# KiCad board 2choc2flat-extmcu.kicad_pcb
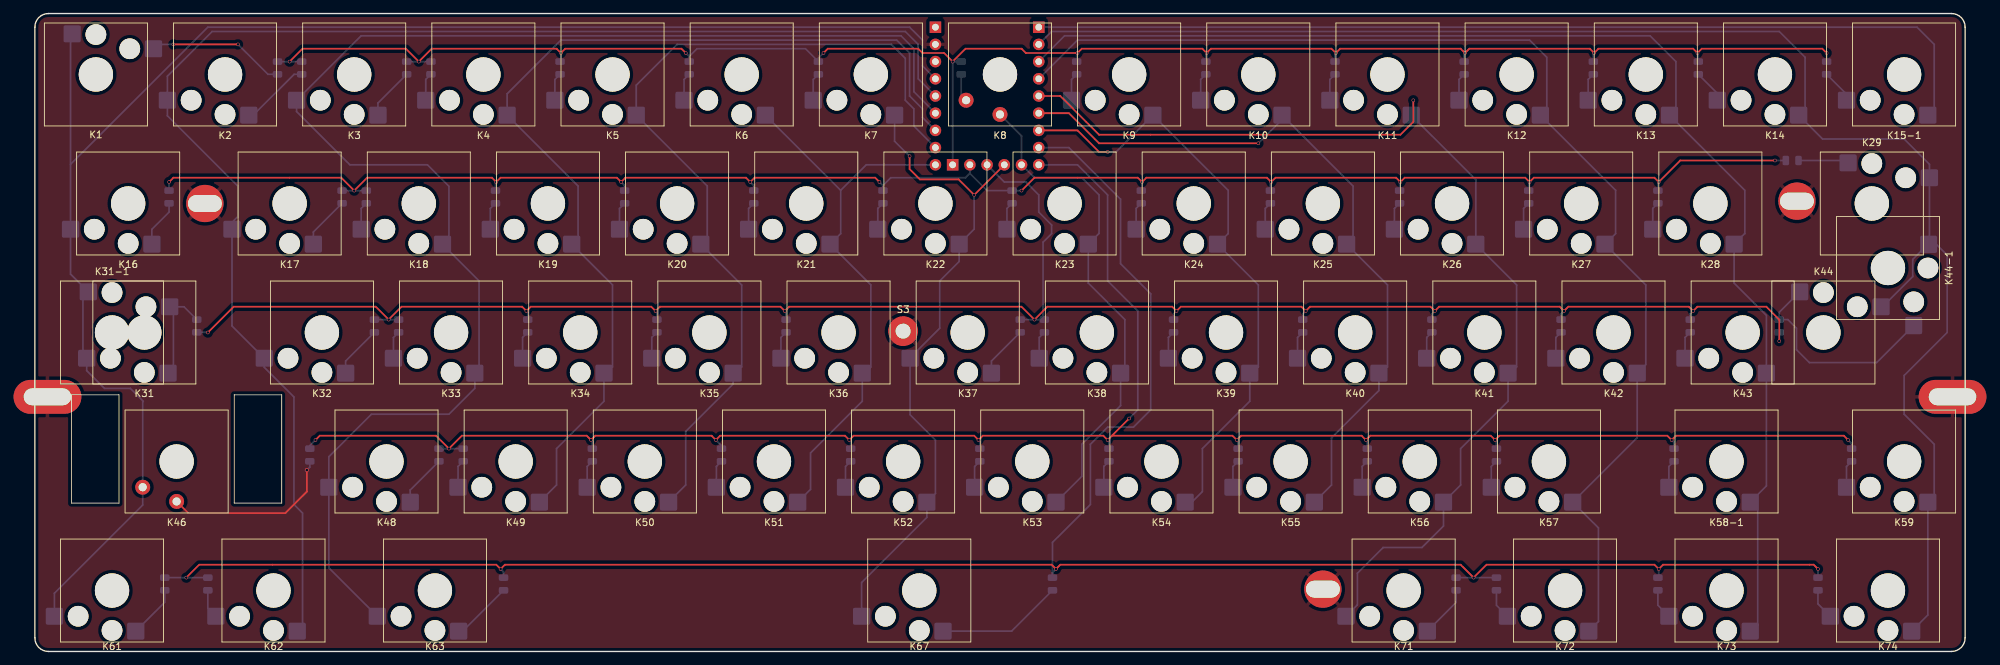
[diagram p0: board, top side]
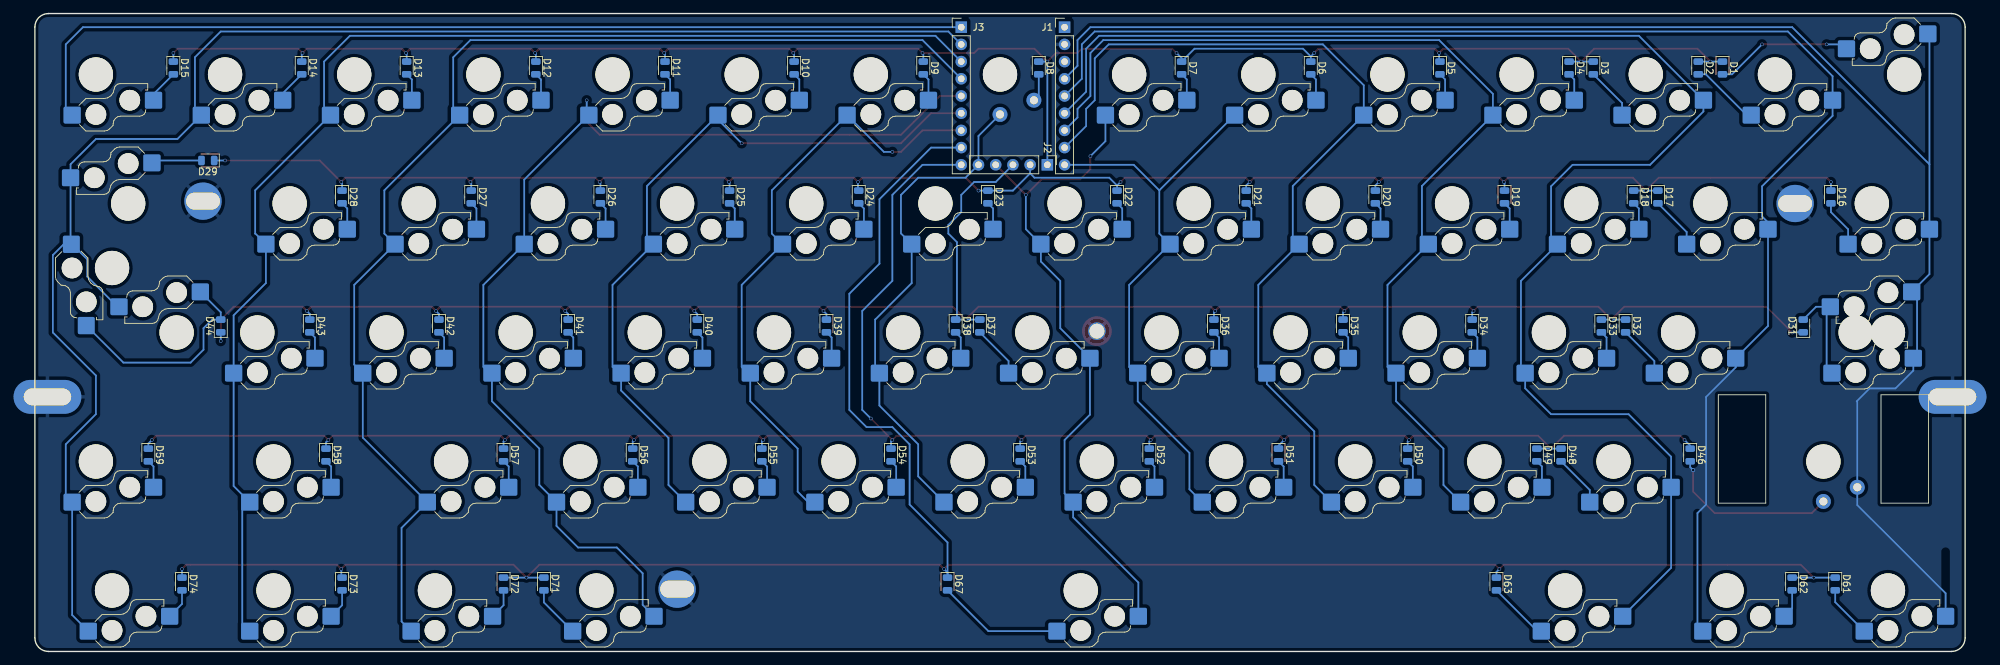
[diagram p1: board, bottom side, seen from below]

Outline 284.7 x 94.2 mm; copper layers: Top, Bottom. Coordinates in mm from the lower left corner of the outline.
Outline path: 0,92.2 0,2 arc(0.59,0.59) 2,0 282.7,0 arc(284.11,0.59) 284.7,2 284.7,92.2 arc(284.11,93.61) 282.7,94.2 2,94.2 arc(0.59,93.61) 0,92.2
Stack: Top 0.035mm / dielectric 1.51mm FR4 er 4.5 / Bottom 0.035mm

## Placement (name value [footprint] x y rotation side)
D1  D  [D_0805_2012Metric]  35.79 86.17 270 bottom
D2  D  [D_0805_2012Metric]  39.36 86.17 270 bottom
D3  D  [D_0805_2012Metric]  54.84 86.17 270 bottom
D4  D  [D_0805_2012Metric]  58.41 86.17 270 bottom
D5  D  [D_0805_2012Metric]  77.46 86.17 270 bottom
D6  D  [D_0805_2012Metric]  96.51 86.17 270 bottom
D7  D  [D_0805_2012Metric]  115.56 86.17 270 bottom
D8  D  [D_0805_2012Metric]  136.63 86.17 270 bottom
D9  D  [D_0805_2012Metric]  153.66 86.17 270 bottom
D10  D  [D_0805_2012Metric]  172.71 86.17 270 bottom
D11  D  [D_0805_2012Metric]  191.76 86.17 270 bottom
D12  D  [D_0805_2012Metric]  210.81 86.17 270 bottom
D13  D  [D_0805_2012Metric]  229.86 86.17 270 bottom
D14  D  [D_0805_2012Metric]  245.34 86.17 270 bottom
D15  D  [D_0805_2012Metric]  264.27 86.17 270 bottom
D16  D  [D_0805_2012Metric]  19.8 67.12 270 bottom
D17  D  [D_0805_2012Metric]  45.31 67.12 270 bottom
D18  D  [D_0805_2012Metric]  48.89 67.12 270 bottom
D19  D  [D_0805_2012Metric]  67.94 67.12 270 bottom
D20  D  [D_0805_2012Metric]  86.99 67.12 270 bottom
D21  D  [D_0805_2012Metric]  106.04 67.12 270 bottom
D22  D  [D_0805_2012Metric]  125.09 67.12 270 bottom
D23  D  [D_0805_2012Metric]  144.14 67.12 270 bottom
D24  D  [D_0805_2012Metric]  163.19 67.12 270 bottom
D25  D  [D_0805_2012Metric]  182.24 67.12 270 bottom
D26  D  [D_0805_2012Metric]  201.29 67.12 270 bottom
D27  D  [D_0805_2012Metric]  220.34 67.12 270 bottom
D28  D  [D_0805_2012Metric]  239.39 67.12 270 bottom
D29  D  [D_0805_2012Metric]  259.19 72.5 0 bottom
D31  D  [D_0805_2012Metric]  23.88 48.07 90 bottom
D32  D  [D_0805_2012Metric]  50.08 48.07 270 bottom
D33  D  [D_0805_2012Metric]  53.65 48.07 270 bottom
D34  D  [D_0805_2012Metric]  72.7 48.07 270 bottom
D35  D  [D_0805_2012Metric]  91.75 48.07 270 bottom
D36  D  [D_0805_2012Metric]  110.8 48.07 270 bottom
D37  D  [D_0805_2012Metric]  145.33 48.07 270 bottom
D38  D  [D_0805_2012Metric]  148.9 48.07 270 bottom
D39  D  [D_0805_2012Metric]  167.95 48.07 270 bottom
D40  D  [D_0805_2012Metric]  187 48.07 270 bottom
D41  D  [D_0805_2012Metric]  206.05 48.07 270 bottom
D42  D  [D_0805_2012Metric]  225.1 48.07 270 bottom
D43  D  [D_0805_2012Metric]  244.15 48.07 270 bottom
D44  D  [D_0805_2012Metric]  257.29 48.07 90 bottom
D46  D  [D_0805_2012Metric]  40.55 29.02 270 bottom
D48  D  [D_0805_2012Metric]  59.6 29.02 270 bottom
D49  D  [D_0805_2012Metric]  63.17 29.02 270 bottom
D50  D  [D_0805_2012Metric]  82.22 29.02 270 bottom
D51  D  [D_0805_2012Metric]  101.27 29.02 270 bottom
D52  D  [D_0805_2012Metric]  120.32 29.02 270 bottom
D53  D  [D_0805_2012Metric]  139.37 29.02 270 bottom
D54  D  [D_0805_2012Metric]  158.42 29.02 270 bottom
D55  D  [D_0805_2012Metric]  177.47 29.02 270 bottom
D56  D  [D_0805_2012Metric]  196.52 29.02 270 bottom
D57  D  [D_0805_2012Metric]  215.57 29.02 270 bottom
D58  D  [D_0805_2012Metric]  241.77 29.02 270 bottom
D59  D  [D_0805_2012Metric]  267.96 29.02 270 bottom
D61  D  [D_0805_2012Metric]  19.16 9.97 270 bottom
D62  D  [D_0805_2012Metric]  25.51 9.97 270 bottom
D63  D  [D_0805_2012Metric]  69.13 9.97 270 bottom
D67  D  [D_0805_2012Metric]  150.09 9.97 270 bottom
D71  D  [D_0805_2012Metric]  209.62 9.97 270 bottom
D72  D  [D_0805_2012Metric]  215.57 9.97 270 bottom
D73  D  [D_0805_2012Metric]  239.39 9.97 270 bottom
D74  D  [D_0805_2012Metric]  263 9.97 270 bottom
J1  Conn_01x09_Male  [PinHeader_1x09_P2.54mm_Vertical]  132.82 92.19 180 bottom
J2  Conn_01x05_Male  [PinHeader_1x05_P2.54mm_Vertical]  135.36 71.87 270 bottom
J3  Conn_01x09_Male  [PinHeader_1x09_P2.54mm_Vertical]  148.06 92.19 180 bottom
K1  KEYSW  [SW_Hotswap_Kailh_Choc_V2_1.00u]  9 85.2 0 top
K2  KEYSW  [SW_Hotswap_Kailh_Choc_V2_1.00u]  28.05 85.2 180 top
K3  KEYSW  [SW_Hotswap_Kailh_Choc_V2_1.00u]  47.1 85.2 180 top
K4  KEYSW  [SW_Hotswap_Kailh_Choc_V2_1.00u]  66.15 85.2 180 top
K5  KEYSW  [SW_Hotswap_Kailh_Choc_V2_1.00u]  85.2 85.2 180 top
K6  KEYSW  [SW_Hotswap_Kailh_Choc_V2_1.00u]  104.25 85.2 180 top
K7  KEYSW  [SW_Hotswap_Kailh_Choc_V2_1.00u]  123.3 85.2 180 top
K8  KEYSW  [SW_Kailh_Choc_V2_1.00u]  142.35 85.2 180 top
K9  KEYSW  [SW_Hotswap_Kailh_Choc_V2_1.00u]  161.4 85.2 180 top
K10  KEYSW  [SW_Hotswap_Kailh_Choc_V2_1.00u]  180.45 85.2 180 top
K11  KEYSW  [SW_Hotswap_Kailh_Choc_V2_1.00u]  199.5 85.2 180 top
K12  KEYSW  [SW_Hotswap_Kailh_Choc_V2_1.00u]  218.55 85.2 180 top
K13  KEYSW  [SW_Hotswap_Kailh_Choc_V2_1.00u]  237.6 85.2 180 top
K14  KEYSW  [SW_Hotswap_Kailh_Choc_V2_1.00u]  256.65 85.2 180 top
K15-1  KEYSW  [SW_Hotswap_Kailh_Choc_V2_1.00u]  275.7 85.2 180 top
K16  KEYSW  [SW_Hotswap_Kailh_Choc_V2_1.50u]  13.76 66.15 180 top
K17  KEYSW  [SW_Hotswap_Kailh_Choc_V2_1.00u]  37.58 66.15 180 top
K18  KEYSW  [SW_Hotswap_Kailh_Choc_V2_1.00u]  56.62 66.15 180 top
K19  KEYSW  [SW_Hotswap_Kailh_Choc_V2_1.00u]  75.67 66.15 180 top
K20  KEYSW  [SW_Hotswap_Kailh_Choc_V2_1.00u]  94.72 66.15 180 top
K21  KEYSW  [SW_Hotswap_Kailh_Choc_V2_1.00u]  113.77 66.15 180 top
K22  KEYSW  [SW_Hotswap_Kailh_Choc_V2_1.00u]  132.82 66.15 180 top
K23  KEYSW  [SW_Hotswap_Kailh_Choc_V2_1.00u]  151.88 66.15 180 top
K24  KEYSW  [SW_Hotswap_Kailh_Choc_V2_1.00u]  170.92 66.15 180 top
K25  KEYSW  [SW_Hotswap_Kailh_Choc_V2_1.00u]  189.97 66.15 180 top
K26  KEYSW  [SW_Hotswap_Kailh_Choc_V2_1.00u]  209.03 66.15 180 top
K27  KEYSW  [SW_Hotswap_Kailh_Choc_V2_1.00u]  228.07 66.15 180 top
K28  KEYSW  [SW_Hotswap_Kailh_Choc_V2_1.00u]  247.12 66.15 180 top
K29  KEYSW  [SW_Hotswap_Kailh_Choc_V2_1.50u]  270.94 66.15 0 top
K31  KEYSW  [SW_Hotswap_Kailh_Choc_V2_1.75u]  16.14 47.1 180 top
K31-1  KEYSW  [SW_Hotswap_Kailh_Choc_V2_1.25u]  11.38 47.1 0 top
K32  KEYSW  [SW_Hotswap_Kailh_Choc_V2_1.00u]  42.34 47.1 180 top
K33  KEYSW  [SW_Hotswap_Kailh_Choc_V2_1.00u]  61.39 47.1 180 top
K34  KEYSW  [SW_Hotswap_Kailh_Choc_V2_1.00u]  80.44 47.1 180 top
K35  KEYSW  [SW_Hotswap_Kailh_Choc_V2_1.00u]  99.49 47.1 180 top
K36  KEYSW  [SW_Hotswap_Kailh_Choc_V2_1.00u]  118.54 47.1 180 top
K37  KEYSW  [SW_Hotswap_Kailh_Choc_V2_1.00u]  137.59 47.1 180 top
K38  KEYSW  [SW_Hotswap_Kailh_Choc_V2_1.00u]  156.64 47.1 180 top
K39  KEYSW  [SW_Hotswap_Kailh_Choc_V2_1.00u]  175.69 47.1 180 top
K40  KEYSW  [SW_Hotswap_Kailh_Choc_V2_1.00u]  194.74 47.1 180 top
K41  KEYSW  [SW_Hotswap_Kailh_Choc_V2_1.00u]  213.79 47.1 180 top
K42  KEYSW  [SW_Hotswap_Kailh_Choc_V2_1.00u]  232.84 47.1 180 top
K43  KEYSW  [SW_Hotswap_Kailh_Choc_V2_1.00u]  251.89 47.1 180 top
K44  KEYSW  [SW_Hotswap_Kailh_Choc_V2_2.25u]  263.79 47.1 0 top
K44-1  KEYSW  [SW_Hotswap_Kailh_Choc_V2_ISOEnter_270deg]  273.32 56.63 270 top
K46  KEYSW  [SW_Kailh_Choc_V2_2.25u_Gateron_LP_Stabs]  20.91 28.05 180 top
K48  KEYSW  [SW_Hotswap_Kailh_Choc_V2_1.00u]  51.86 28.05 180 top
K49  KEYSW  [SW_Hotswap_Kailh_Choc_V2_1.00u]  70.91 28.05 180 top
K50  KEYSW  [SW_Hotswap_Kailh_Choc_V2_1.00u]  89.96 28.05 180 top
K51  KEYSW  [SW_Hotswap_Kailh_Choc_V2_1.00u]  109.01 28.05 180 top
K52  KEYSW  [SW_Hotswap_Kailh_Choc_V2_1.00u]  128.06 28.05 180 top
K53  KEYSW  [SW_Hotswap_Kailh_Choc_V2_1.00u]  147.11 28.05 180 top
K54  KEYSW  [SW_Hotswap_Kailh_Choc_V2_1.00u]  166.16 28.05 180 top
K55  KEYSW  [SW_Hotswap_Kailh_Choc_V2_1.00u]  185.21 28.05 180 top
K56  KEYSW  [SW_Hotswap_Kailh_Choc_V2_1.00u]  204.26 28.05 180 top
K57  KEYSW  [SW_Hotswap_Kailh_Choc_V2_1.00u]  223.31 28.05 180 top
K58-1  KEYSW  [SW_Hotswap_Kailh_Choc_V2_1.75u]  249.51 28.05 180 top
K59  KEYSW  [SW_Hotswap_Kailh_Choc_V2_1.00u]  275.7 28.05 180 top
K61  KEYSW  [SW_Hotswap_Kailh_Choc_V2_1.25u]  11.38 9 180 top
K62  KEYSW  [SW_Hotswap_Kailh_Choc_V2_1.25u]  35.19 9 180 top
K63  KEYSW  [SW_Hotswap_Kailh_Choc_V2_1.25u]  59.01 9 180 top
K67  KEYSW  [SW_Hotswap_Kailh_Choc_V2_6.25u]  130.44 9 180 top
K71  KEYSW  [SW_Hotswap_Kailh_Choc_V2_1.25u]  201.88 9 180 top
K72  KEYSW  [SW_Hotswap_Kailh_Choc_V2_1.25u]  225.69 9 180 top
K73  KEYSW  [SW_Hotswap_Kailh_Choc_V2_1.25u]  249.51 9 180 top
K74  KEYSW  [SW_Hotswap_Kailh_Choc_V2_1.25u]  273.32 9 180 top
S1  Screw  [5.5_5x2.5mm]  25.08 66.15 0 top
S2  Screw  [5.5_5x2.5mm]  259.9 66.5 0 top
S3  Screw  [MountingHole_2.2mm_M2_Pad_TopOnly]  128.06 47.3 0 top
S4  Screw  [10x5_7x2.5mm]  1.86 37.6 0 top
S5  Screw  [10x5_7x2.5mm]  282.84 37.6 0 top
S6  Screw  [5.5_5x2.5mm]  189.98 9.2 0 top

## Footprints (pads in the part's own frame, mm; a bottom-side part is the same pattern mirrored in y, then rotated)
5.5_5x2.5mm
  round 5.5 hole 5x2.5: 1(0,0)
10x5_7x2.5mm
  oval 10x5 hole 7x2.5: 1(0,0)
D_0805_2012Metric
  rrect 0.975x1.4 smd: 1(-0.938,0) 2(0.938,0)
MountingHole_2.2mm_M2_Pad_TopOnly
  round 2.6 hole 2.2: 1(0,0)
  round 4.4 smd: 1(0,0)
PinHeader_1x05_P2.54mm_Vertical
  rect 1.7x1.7 hole 1: 1(0,0)
  oval 1.7x1.7 hole 1: 2(0,-2.54) 3(0,-5.08) 4(0,-7.62) 5(0,-10.16)
PinHeader_1x09_P2.54mm_Vertical
  rect 1.7x1.7 hole 1: 1(0,0)
  oval 1.7x1.7 hole 1: 2(0,-2.54) 3(0,-5.08) 4(0,-7.62) 5(0,-10.16) 6(0,-12.7) 7(0,-15.24) 8(0,-17.78) 9(0,-20.32)
SW_Hotswap_Kailh_Choc_V2_1.00u
  round 3.05 hole 3.05 unplated: (0,5.9) (5,3.8)
  round 5.05 hole 5.05 unplated: (0,0)
  rrect 2.55x2.5 smd far side: 1(-3.5,6) 2(8.5,3.8)
SW_Hotswap_Kailh_Choc_V2_1.25u
  round 3.05 hole 3.05 unplated: (0,5.9) (5,3.8)
  round 5.05 hole 5.05 unplated: (0,0)
  rrect 2.55x2.5 smd far side: 1(-3.5,6) 2(8.5,3.8)
SW_Hotswap_Kailh_Choc_V2_1.50u
  round 3.05 hole 3.05 unplated: (0,5.9) (5,3.8)
  round 5.05 hole 5.05 unplated: (0,0)
  rrect 2.55x2.5 smd far side: 1(-3.5,6) 2(8.5,3.8)
SW_Hotswap_Kailh_Choc_V2_1.75u
  round 3.05 hole 3.05 unplated: (0,5.9) (5,3.8)
  round 5.05 hole 5.05 unplated: (0,0)
  rrect 2.55x2.5 smd far side: 1(-3.5,6) 2(8.5,3.8)
SW_Hotswap_Kailh_Choc_V2_2.25u
  round 3.05 hole 3.05 unplated: (0,5.9) (5,3.8)
  round 5.05 hole 5.05 unplated: (0,0)
  rrect 2.55x2.5 smd far side: 1(-3.5,6) 2(8.5,3.8)
SW_Hotswap_Kailh_Choc_V2_6.25u
  round 3.05 hole 3.05 unplated: (0,5.9) (5,3.8)
  round 5.05 hole 5.05 unplated: (0,0)
  rrect 2.55x2.5 smd far side: 1(-3.5,6) 2(8.5,3.8)
SW_Hotswap_Kailh_Choc_V2_ISOEnter_270deg
  round 3.05 hole 3.05 unplated: (0,5.9) (5,3.8)
  round 5.05 hole 5.05 unplated: (0,0)
  rrect 2.55x2.5 smd far side: 1(-3.5,6) 2(8.5,3.8)
SW_Kailh_Choc_V2_1.00u
  round 5.05 hole 5.05 unplated: (0,0)
  round 2.2 hole 1.2: 1(0,5.9) 2(5,3.8)
SW_Kailh_Choc_V2_2.25u_Gateron_LP_Stabs
  round 5.05 hole 5.05 unplated: (0,0)
  round 2.2 hole 1.2: 1(0,5.9) 2(5,3.8)

## Nets
+3V3: J1.3
+5V: J1.1
GND: J1.2 S1.1 S2.1 S3.1 S4.1 S5.1 S6.1
col0: J1.4 K1.1 K16.2 K31.2 K31-1.1 K46.2 K61.2
col1: J1.5 K2.2 K17.2 K32.2 K62.1
col2: J1.6 K3.2 K18.1 K33.1 K48.2 K63.2
col3: J1.7 K4.1 K19.1 K34.1 K49.1
col4: J1.8 K5.1 K20.1 K35.1 K50.1
col5: J1.9 K6.1 K21.1 K36.1 K51.1
col6: J2.4 K7.1 K22.1 K37.2 K52.1 K67.2
col7: J2.5 K8.1 K23.1 K38.1 K53.1
col8: J3.7 K9.1 K24.1 K39.1 K54.1
col9: J3.6 K10.1 K25.1 K40.1 K55.1
col10: J3.5 K11.1 K26.1 K41.1 K56.1 K71.2
col11: J3.4 K12.1 K27.1 K42.1 K57.1 K72.1
col12: J3.3 K13.1 K28.1 K43.1 K58-1.1 K73.1
col13: J3.2 K14.1 K29.2 K44.2 K44-1.1 K59.1 K74.1
col14: J3.1 K15-1.1
row0: D1.1 D2.1 D3.1 D4.1 D5.1 D6.1 D7.1 D8.1 D9.1 D10.1 D11.1 D12.1 D13.1 D14.1 D15.1 J2.1
row1: D16.1 D17.1 D18.1 D19.1 D20.1 D21.1 D22.1 D23.1 D24.1 D25.1 D26.1 D27.1 D28.1 D29.1 J2.2
row2: D31.1 D32.1 D33.1 D34.1 D35.1 D36.1 D37.1 D38.1 D39.1 D40.1 D41.1 D42.1 D43.1 D44.1 J2.3
row3: D46.1 D48.1 D49.1 D50.1 D51.1 D52.1 D53.1 D54.1 D55.1 D56.1 D57.1 D58.1 D59.1 J3.9
row4: D61.1 D62.1 D63.1 D67.1 D71.1 D72.1 D73.1 D74.1 J3.8
Net-(D1-Pad2): D1.2 K1.2
Net-(D2-Pad2): D2.2 K2.1
Net-(D3-Pad2): D3.2 K3.1
Net-(D4-Pad2): D4.2 K4.2
Net-(D5-Pad2): D5.2 K5.2
Net-(D6-Pad2): D6.2 K6.2
Net-(D7-Pad2): D7.2 K7.2
Net-(D8-Pad2): D8.2 K8.2
Net-(D9-Pad2): D9.2 K9.2
Net-(D10-Pad2): D10.2 K10.2
Net-(D11-Pad2): D11.2 K11.2
Net-(D12-Pad2): D12.2 K12.2
Net-(D13-Pad2): D13.2 K13.2
Net-(D14-Pad2): D14.2 K14.2
Net-(D15-Pad2): D15.2 K15-1.2
Net-(D16-Pad2): D16.2 K16.1
Net-(D17-Pad2): D17.2 K17.1
Net-(D18-Pad2): D18.2 K18.2
Net-(D19-Pad2): D19.2 K19.2
Net-(D20-Pad2): D20.2 K20.2
Net-(D21-Pad2): D21.2 K21.2
Net-(D22-Pad2): D22.2 K22.2
Net-(D23-Pad2): D23.2 K23.2
Net-(D24-Pad2): D24.2 K24.2
Net-(D25-Pad2): D25.2 K25.2
Net-(D26-Pad2): D26.2 K26.2
Net-(D27-Pad2): D27.2 K27.2
Net-(D28-Pad2): D28.2 K28.2
Net-(D29-Pad2): D29.2 K29.1
Net-(D31-Pad2): D31.2 K31.1 K31-1.2
Net-(D32-Pad2): D32.2 K32.1
Net-(D33-Pad2): D33.2 K33.2
Net-(D34-Pad2): D34.2 K34.2
Net-(D35-Pad2): D35.2 K35.2
Net-(D36-Pad2): D36.2 K36.2
Net-(D37-Pad2): D37.2 K37.1
Net-(D38-Pad2): D38.2 K38.2
Net-(D39-Pad2): D39.2 K39.2
Net-(D40-Pad2): D40.2 K40.2
Net-(D41-Pad2): D41.2 K41.2
Net-(D42-Pad2): D42.2 K42.2
Net-(D43-Pad2): D43.2 K43.2
Net-(D44-Pad2): D44.2 K44.1 K44-1.2
Net-(D46-Pad2): D46.2 K46.1
Net-(D48-Pad2): D48.2 K48.1
Net-(D49-Pad2): D49.2 K49.2
Net-(D50-Pad2): D50.2 K50.2
Net-(D51-Pad2): D51.2 K51.2
Net-(D52-Pad2): D52.2 K52.2
Net-(D53-Pad2): D53.2 K53.2
Net-(D54-Pad2): D54.2 K54.2
Net-(D55-Pad2): D55.2 K55.2
Net-(D56-Pad2): D56.2 K56.2
Net-(D57-Pad2): D57.2 K57.2
Net-(D58-Pad2): D58.2 K58-1.2
Net-(D59-Pad2): D59.2 K59.2
Net-(D61-Pad2): D61.2 K61.1
Net-(D62-Pad2): D62.2 K62.2
Net-(D63-Pad2): D63.2 K63.1
Net-(D67-Pad2): D67.2 K67.1
Net-(D71-Pad2): D71.2 K71.1
Net-(D72-Pad2): D72.2 K72.2
Net-(D73-Pad2): D73.2 K73.2
Net-(D74-Pad2): D74.2 K74.2

## Via types
v1: diameter 0.508, hole 0.4, Top to Bottom, 64 vias
v2: diameter 0.6, hole 0.4, Top to Bottom, 1 via

## Routing (per net, layer and track width the routed paths; a pad name or vN(x,y) marks a point on that pad's centre or on a via; arc(x,y) is an arc through that point)
col0: length 240.2
  Bottom w0.25: 5.26,71.94 25.51,92.19 129.01,92.19 130.92,90.28 130.92,86.47 J1.4 ; 5.26,71.94 5.26,90.96 5.5,91.2 ; 5.26,71.94 K16.2 5.26,55.72 K31-1.1 7.09,52.31 7.09,43.85 K31.2 7.64,41.47 10.27,38.85 14.08,38.85 15.99,36.94 15.91,36.86 K46.2 15.91,21.62 2.88,8.6 K61.2
col1: length 214.2
  Bottom w0.25: K62.1 39.48,3.79 39.48,20.43 38.21,21.7 38.21,37.58 33.84,41.95 K32.2 29.08,48.06 K17.2 29.08,63.37 29.96,64.25 29.96,68.69 19.55,79.1 K2.2 19.55,84.96 26.15,91.55 128.38,91.55 130.28,89.65 130.28,84.57 J1.5
col2: length 220.3
  Bottom w0.25: K63.2 43.36,12.34 K48.2 43.36,28.76 49.64,35.04 61.07,35.04 64.89,38.85 K33.1 65.52,41.73 65.52,54.72 60.12,60.11 K18.1 61.07,61.1 61.07,68.69 57.9,71.87 46.47,71.87 38.6,79.73 K3.2 48.12,90.92 127.75,90.92 129.65,89.01 129.65,82.66 J1.6
col3: length 148.7
  Bottom w0.25: K49.1 76.94,24.58 76.94,29.96 83.94,36.95 K34.1 84.28,41.1 85.2,42.02 85.2,54.13 K19.1 79.2,60.15 80.12,61.07 80.12,68.73 K4.1 69.65,82.35 77.58,90.28 127.11,90.28 129.01,88.38 129.01,82.03 130.92,80.12 130.92,78.85 J1.7
col4: length 131.5
  Bottom w0.25: K50.1 95.99,24.58 95.99,32.5 102.99,39.49 K35.1 103.33,41.1 104.25,42.02 104.25,54.13 K20.1 99.14,61.07 99.17,61.07 99.17,68.73 K5.1 88.7,83.62 94.72,89.65 126.32,89.65 128.38,87.58 128.38,81.39 129.65,80.12 129.65,77.58 J1.8
col5: length 85.1
  Bottom w0.25: 118.85,68.1 K6.1 ; 118.85,68.1 122.62,71.87 J1.9 ; 118.85,68.1 118.85,61.71 117.3,60.15 K21.1 123.3,54.13 123.3,42.02 122.38,41.1 K36.1 122.04,36.95 114.41,29.32 114.41,23.95 K51.1
col6: length 98.5
  Top w0.25: v1(129.01,73.14) 129.01,71.23 130.54,69.71 136.25,69.71 v1(138.54,67.42) J2.4
  Bottom w0.25: K7.1 126.8,75.35 v1(129.01,73.14) ; K67.2 121.94,10.18 131.56,19.8 K52.1 132.82,23.31 132.82,31.23 129.09,34.96 K37.2 129.09,43.36 133.46,47.74 133.46,54.72 136.32,57.59 K22.1 138.54,62.37 v1(138.54,67.42)
col7: length 74.7
  Bottom w0.25: K53.1 154.41,25.85 154.41,30.59 160.14,36.31 K38.1 160.48,41.1 160.76,41.39 160.76,49.01 155.38,54.4 K23.1 156.95,61.73 156.95,67.42 154.41,69.96 147.43,69.96 J2.5 145.53,76.13 K8.1
col8: length 90.6
  Top w0.25: J3.7 153.78,76.95 156.95,73.77 v1(158.22,73.77)
  Bottom w0.25: v1(158.22,73.77) 159.47,73.77 K9.1 176,68.1 176,61.71 174.45,60.15 K24.1 180.45,54.13 180.45,42.02 179.53,41.1 K39.1 179.19,36.95 172.19,29.96 172.19,23.61 170.64,22.05 K54.1
col9: length 108.9
  Top w0.25: v1(180.45,75.04) 156.95,75.04 152.51,79.49 J3.6
  Bottom w0.25: K55.1 191.25,24.58 191.25,31.54 198.24,38.54 K40.1 199.16,42.02 199.5,42.02 199.5,54.13 K25.1 194.42,61.1 194.42,68.73 K10.1 183.95,78.54 v1(180.45,75.04)
col10: length 158.3
  Top w0.25: v1(203.31,81.39) 203.31,78.22 201.41,76.31 156.95,76.31 151.24,82.03 J3.5
  Bottom w0.25: K71.2 195.06,6.87 195.06,11.54 198.86,15.35 204.58,15.35 207.76,18.53 K56.1 210.29,24.58 210.29,29.96 217.29,36.95 K41.1 217.63,41.1 218.55,42.02 218.55,54.13 K26.1 212.53,69.68 K11.1 203.31,79.51 v1(203.31,81.39)
col11: length 177.9
  Bottom w0.25: J3.4 153.78,90.28 220.45,90.28 223,87.74 223,80.15 K12.1 233.16,68.1 233.16,61.71 231.6,60.15 K27.1 237.6,54.13 237.6,42.36 K42.1 236.34,31.58 K57.1 230.61,18.25 230.61,4.42 K72.1
col12: length 190.9
  Bottom w0.25: K73.1 253.19,3 254.11,3.92 254.11,20.95 K58-1.1 255.39,24.43 K43.1 255.39,49.63 250.62,54.4 K28.1 252.18,61.71 252.2,61.71 252.2,68.1 K13.1 242.04,80.15 242.04,87.11 238.23,90.92 151.88,90.92 J3.3
col13: length 235.6
  Bottom w0.25: J3.2 149.97,91.55 257.29,91.55 261.1,87.74 261.1,80.15 K14.1 263.68,75.68 275.7,75.68 279.44,71.94 K29.2 279.44,60.24 K44-1.1 ; K74.1 279.2,5.38 K59.1 279.23,22.05 280.15,22.97 280.15,30.59 275.7,35.04 275.7,40.75 282.05,47.1 282.05,58.53 280.46,60.13 K44-1.1 ; K44-1.1 279.2,60.13 276.97,57.9 276.97,55.36 272.52,50.9 K44.2
col14: length 144
  Bottom w0.25: J3.1 277.61,92.19 280.15,89.65 280.15,80.15 K15-1.1
row0: length 272.3
  Top w0.25: v1(37.58,87.11) 39.48,89.01 54.72,89.01 v1(56.62,87.11) 58.53,89.01 76.94,89.01 v1(77.58,88.38) 78.21,89.01 95.36,89.01 v1(95.99,88.38) ; v1(116.31,88.38) 116.95,89.01 130.28,89.01 130.92,88.38 134.09,88.38 v1(135.36,87.11) 137.27,89.01 145.53,89.01 146.16,88.38 v1(153.78,88.38) 154.41,89.01 172.19,89.01 v1(172.83,88.38) 173.47,89.01 191.25,89.01 v1(191.88,88.38) 192.51,89.01 210.29,89.01 v1(210.93,88.38) 211.56,89.01 229.34,89.01 v1(229.98,88.38) 230.61,89.01 244.59,89.01 v1(245.22,88.38) 245.85,89.01 263.64,89.01 v1(264.27,88.38)
  Bottom w0.25: D15.1 v1(264.27,88.38) ; 96.51,87.86 v1(95.99,88.38) ; 96.51,87.86 97.66,89.01 113.66,89.01 D7.1 115.56,87.62 v1(116.31,88.38) ; 96.51,87.86 D6.1 ; D12.1 210.81,88.26 v1(210.93,88.38) ; D4.1 v1(56.62,87.11) D3.1 ; D10.1 172.71,88.26 v1(172.83,88.38) ; D5.1 77.58,87.22 v1(77.58,88.38) ; D9.1 153.66,88.26 v1(153.78,88.38) ; v1(229.98,88.38) 229.86,88.26 D13.1 ; D8.1 v1(135.36,87.11) J2.1 ; D11.1 191.76,88.26 v1(191.88,88.38) ; D1.1 v1(37.58,87.11) D2.1 ; D14.1 245.34,88.26 v1(245.22,88.38)
row1: length 266.4
  Top w0.25: v1(256.65,72.5) 242.68,72.5 v1(239.5,69.33) 238.87,69.96 221.09,69.96 v1(220.45,69.33) 219.82,69.96 202.04,69.96 v1(201.41,69.33) 200.77,69.96 182.99,69.96 v1(182.35,69.33) 181.72,69.96 163.94,69.96 v1(163.31,69.33) 162.67,69.96 147.43,69.96 v1(145.53,68.06) ; v1(124.57,69.33) 123.93,69.96 106.16,69.96 v1(105.52,69.33) 104.88,69.96 87.1,69.96 v1(86.47,69.33) 85.83,69.96 68.69,69.96 v1(68.05,69.33) 67.42,69.96 49.01,69.96 v1(47.1,68.06) 45.2,69.96 20.43,69.96 v1(19.8,69.33)
  Bottom w0.25: v1(182.35,69.33) 182.24,69.21 D25.1 ; 137.91,70.6 140.44,68.06 D23.1 v1(145.53,68.06) ; 137.91,70.6 137.27,69.96 126.24,69.96 125.09,68.81 ; 137.91,70.6 J2.2 ; v1(105.52,69.33) 106.04,68.81 D21.1 ; D29.1 v1(256.65,72.5) ; 125.09,68.81 v1(124.57,69.33) ; 125.09,68.81 D22.1 ; D17.1 v1(47.1,68.06) D18.1 ; D28.1 239.39,69.21 v1(239.5,69.33) ; D27.1 220.34,69.21 v1(220.45,69.33) ; v1(19.8,69.33) D16.1 ; v1(86.47,69.33) 86.99,68.81 D20.1 ; D26.1 201.29,69.21 v1(201.41,69.33) ; D19.1 67.94,69.21 v1(68.05,69.33) ; D24.1 163.31,68.17 v1(163.31,69.33)
row2: length 295.3
  Top w0.25: v1(257.29,45.83) 257.29,49.01 255.38,50.91 245.22,50.91 v1(244.59,50.28) 243.95,50.91 226.17,50.91 v1(225.53,50.28) 224.9,50.91 207.12,50.91 v1(206.48,50.28) 205.85,50.91 188.07,50.91 v1(187.44,50.28) 186.8,50.91 169.02,50.91 v1(168.38,50.28) 167.75,50.91 149.34,50.91 v1(147.43,49.01) 145.53,50.91 111.23,50.91 v1(110.6,50.28) 109.96,50.91 92.18,50.91 v1(91.55,50.28) 90.91,50.91 73.13,50.91 v1(72.5,50.28) 71.86,50.91 54.09,50.91 v1(52.18,49.01) 50.27,50.91 29.32,50.91 v1(25.51,47.1)
  Bottom w0.25: D43.1 244.15,49.84 v1(244.59,50.28) ; D33.1 v1(52.18,49.01) D32.1 ; v1(91.55,50.28) 91.75,50.08 D35.1 ; J2.3 142.98,69.33 146.16,69.33 148.06,67.42 148.06,64.88 149.97,62.98 149.97,61.71 148.7,60.44 148.7,49.2 D38.1 v1(147.43,49.01) D37.1 ; D39.1 167.95,49.84 v1(168.38,50.28) ; v1(187.44,50.28) 187,49.84 D40.1 ; D41.1 206.05,49.84 v1(206.48,50.28) ; D42.1 225.1,49.84 v1(225.53,50.28) ; v1(72.5,50.28) 72.7,50.08 D34.1 ; D31.1 25.48,47.13 v1(25.51,47.1) ; v1(110.6,50.28) 110.8,50.08 D36.1 ; D44.1 v1(257.29,45.83)
row3: length 303
  Top w0.25: v1(161.4,34.4) 158.86,31.86 ; 158.86,31.86 v1(158.22,31.23) 157.59,31.86 139.81,31.86 v1(139.17,31.23) 138.54,31.86 120.76,31.86 v1(120.12,31.23) 119.49,31.86 101.07,31.86 v1(100.44,31.23) 99.8,31.86 82.66,31.86 v1(82.02,31.23) 81.39,31.86 62.98,31.86 v1(61.07,29.96) 59.16,31.86 42.02,31.86 v1(41.38,31.23) ; 158.86,31.86 176.64,31.86 v1(177.28,31.23) 177.91,31.86 195.69,31.86 v1(196.32,31.23) 196.96,31.86 214.74,31.86 v1(215.38,31.23) 216.01,31.86 240.78,31.86 v1(241.41,31.23) 242.04,31.86 266.81,31.86 v1(267.45,31.23)
  Bottom w0.25: D51.1 101.27,30.39 v1(100.44,31.23) ; D54.1 158.42,31.03 v1(158.22,31.23) ; v1(267.45,31.23) 267.96,30.71 D59.1 ; v1(241.41,31.23) 241.77,30.87 D58.1 ; D50.1 82.22,31.03 v1(82.02,31.23) ; v1(139.17,31.23) 139.37,31.03 D53.1 ; D57.1 215.57,31.03 v1(215.38,31.23) ; D56.1 196.52,31.03 v1(196.32,31.23) ; D49.1 v1(61.07,29.96) D48.1 ; v1(177.28,31.23) 177.47,31.03 D55.1 ; D52.1 120.32,31.03 v1(120.12,31.23) ; v1(161.4,34.4) 162.67,35.67 162.67,50.28 158.22,54.72 158.22,67.42 153.78,71.87 J3.9 ; v1(41.38,31.23) 40.55,30.39 D46.1
row4: length 343.9
  Top w0.25: v1(22.34,10.91) 24.24,12.81 68.05,12.81 v1(68.69,12.18) 69.32,12.81 149.97,12.81 v1(150.6,12.18) 151.24,12.81 210.29,12.81 v1(212.2,10.91) 214.1,12.81 238.87,12.81 v1(239.5,12.18) 240.14,12.81 262.37,12.81 v1(263,12.18)
  Bottom w0.25: D72.1 v1(212.2,10.91) D71.1 ; D62.1 v1(22.34,10.91) D61.1 ; D73.1 239.5,11.02 v1(239.5,12.18) ; J3.8 152.51,74.41 160.13,66.79 160.13,57.26 164.57,52.82 164.57,35.67 162.03,33.13 158.22,33.13 155.69,30.59 155.69,21.7 150.09,16.1 D67.1 150.09,11.66 v1(150.6,12.18) ; D74.1 v1(263,12.18) ; D63.1 69.13,11.74 v1(68.69,12.18)
Net-(D1-Pad2): length 20.4
  Top w0.25: v1(29.96,89.65) v1(20.43,89.65)
  Bottom w0.25: D1.2 34.37,85.23 v1(29.96,89.65) ; v1(20.43,89.65) 18.15,89.65 17.5,89
Net-(D2-Pad2): length 10.3
  Bottom w0.25: D2.2 38.24,85.23 32.21,79.2 K2.1
Net-(D3-Pad2): length 7.8
  Bottom w0.25: K3.1 50.6,80.99 D3.2
Net-(D4-Pad2): length 4.1
  Bottom w0.25: D4.2 57.65,84.47 K4.2
Net-(D5-Pad2): length 4.1
  Bottom w0.25: D5.2 76.7,84.47 K5.2
Net-(D6-Pad2): length 4.1
  Bottom w0.25: K6.2 95.75,84.47 D6.2
Net-(D7-Pad2): length 4.1
  Bottom w0.25: K7.2 114.8,84.47 D7.2
Net-(D8-Pad2): length 4.1
  Bottom w0.25: K8.2 136.63,82.12 D8.2
Net-(D9-Pad2): length 4.1
  Bottom w0.25: D9.2 152.9,84.47 K9.2
Net-(D10-Pad2): length 4.1
  Bottom w0.25: D10.2 171.95,84.47 K10.2
Net-(D11-Pad2): length 4.1
  Bottom w0.25: D11.2 191,84.47 K11.2
Net-(D12-Pad2): length 4.1
  Bottom w0.25: D12.2 210.05,84.47 K12.2
Net-(D13-Pad2): length 4.1
  Bottom w0.25: K13.2 229.1,84.47 D13.2
Net-(D14-Pad2): length 5
  Bottom w0.25: K14.2 248.15,82.42 D14.2
Net-(D15-Pad2): length 5
  Bottom w0.25: D15.2 267.2,82.3 K15-1.2
Net-(D16-Pad2): length 7.1
  Bottom w0.25: D16.2 19.8,64.88 17.26,62.34 17.26,60.16 K16.1
Net-(D17-Pad2): length 7.8
  Bottom w0.25: K17.1 41.08,61.94 D17.2
Net-(D18-Pad2): length 4.1
  Bottom w0.25: D18.2 48.12,65.42 K18.2
Net-(D19-Pad2): length 4.1
  Bottom w0.25: K19.2 67.17,65.42 D19.2
Net-(D20-Pad2): length 4.1
  Bottom w0.25: D20.2 86.22,65.42 K20.2
Net-(D21-Pad2): length 4.1
  Bottom w0.25: K21.2 105.27,65.42 D21.2
Net-(D22-Pad2): length 4.1
  Bottom w0.25: K22.2 124.32,65.42 D22.2
Net-(D23-Pad2): length 4.1
  Bottom w0.25: K23.2 143.38,65.42 D23.2
Net-(D24-Pad2): length 4.1
  Bottom w0.25: D24.2 162.42,65.42 K24.2
Net-(D25-Pad2): length 4.1
  Bottom w0.25: K25.2 181.47,65.42 D25.2
Net-(D26-Pad2): length 4.1
  Bottom w0.25: K26.2 200.53,65.42 D26.2
Net-(D27-Pad2): length 4.1
  Bottom w0.25: D27.2 219.57,65.42 K27.2
Net-(D28-Pad2): length 4.1
  Bottom w0.25: K28.2 238.62,65.42 D28.2
Net-(D29-Pad2): length 7.5
  Bottom w0.25: K29.1 267.09,72.5 D29.2
Net-(D31-Pad2): length 15.4
  Bottom w0.25: K31.1 20.15,41.1 20.43,41.39 20.43,50.35 K31-1.2 21.99,50.9 D31.2
Net-(D32-Pad2): length 7.8
  Bottom w0.25: D32.2 45.84,42.89 K32.1
Net-(D33-Pad2): length 4.1
  Bottom w0.25: K33.2 52.89,46.37 D33.2
Net-(D34-Pad2): length 4.1
  Bottom w0.25: K34.2 71.94,46.37 D34.2
Net-(D35-Pad2): length 4.1
  Bottom w0.25: K35.2 90.99,46.37 D35.2
Net-(D36-Pad2): length 4.1
  Bottom w0.25: K36.2 110.04,46.37 D36.2
Net-(D37-Pad2): length 7.8
  Bottom w0.25: K37.1 141.09,42.89 D37.2
Net-(D38-Pad2): length 4.1
  Bottom w0.25: K38.2 148.14,46.37 D38.2
Net-(D39-Pad2): length 4.1
  Bottom w0.25: K39.2 167.19,46.37 D39.2
Net-(D40-Pad2): length 4.1
  Bottom w0.25: K40.2 186.24,46.37 D40.2
Net-(D41-Pad2): length 4.1
  Bottom w0.25: K41.2 205.29,46.37 D41.2
Net-(D42-Pad2): length 4.1
  Bottom w0.25: K42.2 224.34,46.37 D42.2
Net-(D43-Pad2): length 4.1
  Bottom w0.25: D43.2 243.39,46.37 K43.2
Net-(D44-Pad2): length 31.9
  Bottom w0.25: K44-1.2 271.65,42.66 261.73,42.66 259.83,44.56 259.83,47.74 258.56,49.01 D44.2 257.29,50.09 K44.1
Net-(D46-Pad2): length 25.9
  Top w0.25: v2(40.12,26.78) 40.12,23.61 36.94,20.43 22.63,20.43 K46.1
  Bottom w0.25: v2(40.12,26.78) 40.55,27.22 D46.2
Net-(D48-Pad2): length 7.8
  Bottom w0.25: D48.2 55.36,23.84 K48.1
Net-(D49-Pad2): length 4.1
  Bottom w0.25: D49.2 62.41,27.32 K49.2
Net-(D50-Pad2): length 4.1
  Bottom w0.25: D50.2 81.46,27.32 K50.2
Net-(D51-Pad2): length 4.1
  Bottom w0.25: K51.2 100.51,27.32 D51.2
Net-(D52-Pad2): length 4.1
  Bottom w0.25: K52.2 119.56,27.32 D52.2
Net-(D53-Pad2): length 4.1
  Bottom w0.25: D53.2 138.61,27.32 K53.2
Net-(D54-Pad2): length 4.1
  Bottom w0.25: K54.2 157.66,27.32 D54.2
Net-(D55-Pad2): length 4.1
  Bottom w0.25: D55.2 176.71,27.32 K55.2
Net-(D56-Pad2): length 4.1
  Bottom w0.25: K56.2 195.76,27.32 D56.2
Net-(D57-Pad2): length 4.1
  Bottom w0.25: D57.2 214.81,27.32 K57.2
Net-(D58-Pad2): length 4.1
  Bottom w0.25: K58-1.2 241.01,27.32 D58.2
Net-(D59-Pad2): length 4.1
  Bottom w0.25: K59.2 267.2,27.32 D59.2
Net-(D61-Pad2): length 7.8
  Bottom w0.25: K61.1 19.16,7.28 D61.2
Net-(D62-Pad2): length 4.3
  Bottom w0.25: D62.2 25.51,6.38 K62.2
Net-(D63-Pad2): length 9.1
  Bottom w0.25: D63.2 63.1,3 K63.1
Net-(D67-Pad2): length 18.6
  Bottom w0.25: D67.2 144.06,3 K67.1
Net-(D71-Pad2): length 7.8
  Bottom w0.25: K71.1 209.62,7.24 D71.2
Net-(D72-Pad2): length 4.5
  Bottom w0.25: K72.2 215.57,6.82 D72.2
Net-(D73-Pad2): length 4.5
  Bottom w0.25: K73.2 239.39,6.82 D73.2
Net-(D74-Pad2): length 4.6
  Bottom w0.25: D74.2 263,7.02 K74.2

## Copper pours and planes (outline as drawn; the poured copper is in the pictures)
GND on Top: -0.53,94.73 285.23,94.73 285.23,-0.53 -0.53,-0.53
GND on Bottom: -0.53,94.73 285.23,94.73 285.23,-0.53 -0.53,-0.53
